# KiCad board poly_kb_wave_right2.kicad_pcb (continued)
## Routing (per net, layer and track width the routed paths; a pad name or vN(x,y) marks a point on that pad's centre or on a via; arc(x,y) is an arc through that point) (continued)
/RpPico/QSPI_SD1: length 8.3
  Bottom w0.229: U10.55 23.95,108.2 24.2,108.45 27.9,108.45 28.2,108.16 28.98,108.16 29.79,108.97 29.79,110.23 U9.2
/RpPico/QSPI_SD2: length 8.4
  Bottom w0.229: U10.54 23.55,108.34 24.05,108.84 25.8,108.84 arc(26.02,108.92) 26.1,109.14 ; U9.3 29.25,109.64 29.25,108.97 28.82,108.54 28.41,108.54 28.11,108.84 27,108.84 arc(26.81,108.91) 26.7,109.09 arc(26.7,109.11) 26.7,109.14 ; 26.71,109.12 arc(26.62,109.33) 26.41,109.42 arc(26.19,109.33) 26.11,109.12
/RpPico/QSPI_SD3: length 8.5
  Bottom w0.229: U10.51 22.35,110.45 25.14,113.24 26.78,113.24 U9.7
/RpPico/QSPI_SS: length 12.3
  Bottom w0.229: 32.18,110.18 30.98,110.18 30.23,110.92 U9.1 30.98,110.18 30.98,109.62 29.08,107.72 U10.56
  Bottom w0.254: R20.2 R21.1
/RpPico/RUN: length 319.1
  Top w0.229: v3(17.73,93.38) 17.69,93.38 15.68,91.38 15.68,90.27 15.09,89.67 v3(15.09,89.55)
  Top w0.3: v3(5.85,45.16) 19.35,9.78 28,8.98 52.9,16.63 104.84,16.63 108.4,20.2 159.35,20.2 177.55,38.41 177.55,81.45 v2(177.45,81.55)
  In2.Cu w0.229: v3(5.85,45.16) 5.85,46.58 9.3,50.02 9.3,55.58 8.28,56.59 8.28,66.77 15.09,73.58 v3(15.09,89.55)
  Bottom w0.229: U10.26 19.95,100.36 18.53,98.94 17.9,98.94 17.73,98.76 v3(17.73,93.38)
  Bottom w0.3: SW3.2 179.06,86.7 179.06,81.71 SW3.2 177.48,81.58 v2(177.45,81.55)
/RpPico/SWCLK: length 13.8
  Top w0.229: DBG1.3 15.82,92.37 v3(18.76,95.31)
  Bottom w0.229: U10.24 20.75,99.94 18.76,97.94 v3(18.76,95.31) ; DBG1.3 13.18,92.37
/RpPico/SWD: length 9.3
  Top w0.229: v3(18.25,98.44) 17.26,97.45 DBG1.1
  Bottom w0.229: U10.25 20.35,100.07 18.73,98.44 v3(18.25,98.44)
/RpPico/USB_D+: length 17.3
  Bottom w0.254: USB1.8 21.75,117.4 22.04,117.11 U11.10 U11.1 22.04,113.68 ; 23.15,113.7 22.06,113.7 22.04,113.68 ; 22.04,113.68 22.04,112.6 R22.1 20.63,112.43 20.63,113.77 20.44,113.96 20.44,114.46 20.54,114.56 U11.4 U11.7 20.54,117.04 20.75,117.25 USB1.6
/RpPico/USB_D-: length 17.1
  Top w0.254: v2(20.04,112.83) 20.08,112.86 v2(21.25,112.86)
  Bottom w0.254: USB1.5 20.25,117.32 20.04,117.11 U11.6 U11.5 20.03,115.72 20.03,113.75 ; 20.03,113.75 20.03,113.07 ; 20.03,113.75 19.98,113.7 18.94,113.7 ; v2(21.25,112.86) 21.25,113.6 21.63,113.98 21.63,114.48 21.54,114.56 U11.2 U11.9 21.54,117.04 21.25,117.33 USB1.7 ; 20.04,113.05 20.04,112.1 R23.1 ; v2(20.04,112.83) 20.03,112.81
/RpPico/XIN: length 5.9
  Bottom w0.229: 23.13,97.2 22.35,97.98 U10.20 ; 23.13,97.2 23.1,97.17 Y1.1 ; 23.13,97.2 C3.2
/RpPico/XOUT: length 5.2
  Bottom w0.229: U10.21 21.95,97.36 21.24,96.65 R19.2
/RpPico/~{USB_BOOT}: length 212.4
  Top w0.3: v2(116.35,121.75) 117.25,122.66 154.2,122.66 154.9,121.95 159.5,121.95 160.15,121.31 169.1,121.31 172.3,118.1 172.3,114.56 177.15,109.7 177.15,83.2 175.4,81.45 v2(175.4,79.05)
  In2.Cu w0.3: v2(82.7,124.95) 88.85,118.81 97.05,118.81 101,114.85 105.55,114.85 107.55,116.85 111.45,116.85 v2(116.35,121.75) ; v2(33.9,111.91) 33.9,114.95 34.65,115.7 34.65,117.95 35.7,119 v2(35.7,125.2)
  Bottom w0.3: SW2.2 179.09,73.93 179.09,78.88 SW2.2 175.43,79.03 v2(175.4,79.05) ; R21.2 33.21,111.22 v2(33.9,111.91) ; v2(82.7,124.95) 81.65,126 71.75,126 71.15,125.41 35.9,125.41 v2(35.7,125.2)
/SCLK1: length 166.2
  In1.Cu w0.3: v2(26.88,29.23) 27.15,29.51 27.15,40.25 23.17,44.24 23.17,45.81 20.13,48.85 18.94,49.41 v2(18.77,49.89) 18.77,49.97 19.23,50.43 20.3,50.81 21.63,50.81 31.16,54.44 32.47,55.75 40.6,55.75 v2(42.3,57.45) 42.36,57.51 44.3,57.51 51.14,64.35 51.14,77.1 47.73,80.51 47.73,80.98 ; 47.73,81.06 47.98,81.31 49.05,81.31 51.1,83.36 51.1,96.19 47.73,99.56 47.73,100.03 ; 47.73,100.11 47.98,100.36 49.05,100.36 51.14,102.45 51.14,115.2 47.73,118.61 47.73,119.08
  Bottom w0.3: J15.11 45.6,78.87 v2(47.73,80.99) ; J8.11 45.6,97.92 v2(47.73,100.04) ; v2(42.3,57.45) 42.02,57.17 42.02,54.3 J22.11 ; J1.11 45.6,116.97 v2(47.73,119.09) 47.73,119.73 47.54,119.92 37.89,119.92 37.14,120.67 U15.4 ; J30.11 25.61,26.51 v2(26.88,29.23) ; v2(18.77,49.89) 17.5,47.16 J29.11
/SCLK2: length 148.1
  In1.Cu w0.3: 69.61,115.75 70.08,115.28 ; 69.61,115.75 66.78,118.58 v2(66.78,119.09) ; 69.61,115.75 70.08,115.28 70.08,102.52 67.92,100.36 67.03,100.36 66.78,100.11 ; 66.78,100.03 66.78,99.56 70.19,96.15 70.19,83.4 68.1,81.31 67.03,81.31 66.78,81.06 ; 66.77,80.98 66.77,80.51 70.18,77.1 70.18,64.35 68.09,62.26 67.02,62.26 66.77,62.01 ; v2(49.26,35.15) 51.18,37.06 64.01,37.06 70.08,43.13 70.08,58.13 66.78,61.43 v2(66.78,61.94)
  Bottom w0.3: J2.11 64.65,116.97 v2(66.78,119.09) 66.78,119.48 66.46,119.8 57.19,119.8 56.31,120.67 U13.4 ; v2(66.78,100.04) 64.65,97.92 J9.11 ; v2(66.78,61.94) 64.65,59.82 J23.11 ; J31.11 47.69,32.59 v2(49.26,35.15) ; v2(66.78,80.99) 64.65,78.87 J16.11
/SCLK3: length 143
  In1.Cu w0.3: v2(85.83,64.32) 85.83,63.81 89.13,60.51 89.13,47.14 87.31,45.33 78.49,45.33 73.54,40.37 v2(73.54,38.34) ; 85.82,83.36 85.82,82.89 89.23,79.48 89.23,66.73 87.14,64.64 86.07,64.64 85.82,64.39 ; 85.83,102.41 85.83,101.94 89.24,98.53 89.24,85.78 87.15,83.69 86.08,83.69 85.83,83.44 ; 85.83,102.5 86.08,102.75 86.97,102.75 89.13,104.91 89.13,115.71 83.52,121.32 v2(83.35,121.32)
  Bottom w0.3: v2(85.84,102.35) 83.7,100.21 83.7,98.51 ; v2(73.54,38.34) 71.61,36.04 J32.11 ; v2(85.83,64.32) 83.7,62.2 J24.11 ; v2(85.83,83.37) 83.7,81.25 J17.11 ; J3.11 83.7,120.97 v2(83.35,121.32) 83.35,121.45 82.59,122.21 75.86,122.21 75.1,122.97 72.1,122.97 71.48,123.59 U17.4
/SCLK4: length 131.3
  In1.Cu w0.3: 104.88,104.88 105.13,105.13 106.02,105.13 108.18,107.29 108.18,120.04 108.18,120.04 104.88,123.34 v2(104.88,123.85) ; 104.88,104.8 104.88,104.33 108.29,100.92 108.29,88.17 106.2,86.08 105.13,86.08 104.88,85.83 ; 104.88,66.78 105.13,67.03 106.2,67.03 108.29,69.12 108.29,81.87 104.88,85.28 104.88,85.75 ; 104.88,66.7 104.88,66.23 108.29,62.82 108.29,50.07 106.2,47.98 105.13,47.98 104.88,47.73
  Bottom w0.3: v2(104.88,66.7) 102.75,64.58 J25.11 ; J33.11 102.75,45.53 v2(104.88,47.65) ; J18.11 102.75,83.63 v2(104.88,85.75) ; J11.11 102.75,102.68 v2(104.88,104.8) ; U19.4 93.86,119.94 94.2,120.28 94.2,122.47 94.74,123 94.74,123.81 95.17,124.24 96.79,124.24 97.43,124.88 104.18,124.88 104.88,124.18 v2(104.88,123.85) 102.75,121.73 J4.11
/SCLK5: length 125.3
  In1.Cu w0.3: 123.94,102.41 123.94,101.94 127.35,98.53 127.35,85.78 125.26,83.69 124.19,83.69 123.94,83.44 ; 123.93,64.32 123.93,63.85 127.34,60.44 127.34,47.69 125.25,45.6 124.18,45.6 123.93,45.35 ; 123.93,102.49 124.18,102.74 125.07,102.74 127.23,104.9 127.23,117.66 123.93,120.96 v2(123.93,121.47) ; 123.93,64.4 124.18,64.65 125.25,64.65 127.34,66.74 127.34,79.49 123.93,82.9 123.93,83.37
  Bottom w0.3: 121.8,41.36 121.8,43.15 v2(123.93,45.27) ; J5.11 121.8,119.35 v2(123.93,121.47) 122.93,122.47 114.09,122.47 113.47,123.08 U21.4 ; v2(123.93,64.32) 121.8,62.2 J26.11 ; 121.8,98.51 121.8,100.3 v2(123.93,102.42) ; v2(123.93,83.37) 121.8,81.25 J19.11
/SCLK6: length 125.8
  In1.Cu w0.3: 142.98,80.99 142.98,80.52 144.78,78.72 144.78,73.49 146.39,71.88 146.39,64.36 144.3,62.27 143.23,62.27 142.98,62.02 ; 142.98,100.04 142.98,99.57 146.39,96.16 146.39,83.41 144.3,81.32 143.23,81.32 142.98,81.07 ; 142.98,100.11 143.23,100.37 144.12,100.37 146.28,102.53 146.28,115.28 146.28,115.28 142.98,118.58 v2(142.98,119.09) ; 142.97,42.97 143.22,43.22 144.29,43.22 146.38,45.31 146.38,58.06 142.97,61.47 142.97,61.94
  Bottom w0.3: J13.11 140.85,97.92 v2(142.98,100.04) ; v2(142.98,61.94) 140.85,59.82 J27.11 ; v2(142.98,80.99) 140.85,78.87 J20.11 ; U23.4 132.69,121.05 134.55,119.19 138.85,119.19 139.23,119.57 142.49,119.57 v2(142.98,119.09) 140.85,116.97 J6.11 ; J35.11 140.85,40.77 v2(142.98,42.89)
/SCLK7: length 130.5
  In1.Cu w0.3: v2(162.03,42.89) 162.31,43.17 168.96,43.17 170.09,44.3 170.09,58.13 166.79,61.43 v2(166.79,61.94) ; v2(166.79,80.99) 166.79,80.48 170.09,77.18 170.09,64.43 167.93,62.27 167.04,62.27 166.79,62.01 ; 166.79,81.06 167.04,81.32 168.12,81.32 170.2,83.41 170.2,96.16 166.79,99.57 v2(166.79,100.04) 166.79,100.11 167.04,100.37 167.93,100.37 170.09,102.53 170.09,115.61 166.79,118.91 v2(166.79,119.42)
  Bottom w0.3: J7.11 164.67,117.29 v2(166.79,119.42) 166.16,120.05 156.88,120.05 156.26,120.67 U25.4 ; v2(166.79,100.04) 164.67,97.92 J14.11 ; v2(166.79,61.94) 164.67,59.82 J28.11 ; J36.11 159.9,40.77 v2(162.03,42.89) ; J21.11 164.67,78.87 v2(166.79,80.99)
/SDIN1: length 152.7
  In1.Cu w0.3: 48.5,99.72 51.65,96.58 51.65,83.07 49.25,80.67 ; 22.47,47.66 23.65,46.48 23.65,44.51 27.71,40.45 v2(27.71,29.21) ; 22.47,47.66 20.85,49.28 v2(19.6,49.86) ; 22.47,47.66 23.96,49.14 23.96,49.14 24.58,49.75 28.64,49.75 34.07,55.19 41.19,55.19 v2(42.91,56.9) 44.36,56.9 51.66,64.21 51.66,78.14 49.13,80.67 48.5,80.67 ; v2(48.51,99.73) 48.51,99.72 49.25,99.72 51.66,102.14 51.66,115.62 v2(48.51,118.78) 48.5,118.78
  Bottom w0.3: J1.12 46.1,116.73 47.85,118.48 48.21,118.48 v2(48.51,118.78) 48.51,120 49.17,120.67 U14.4 ; J29.12 18.05,47.12 19.09,49.36 19.43,49.48 v2(19.6,49.86) ; v2(27.71,29.21) 27.54,28.82 27.2,28.7 26.16,26.46 J30.12 ; J15.12 46.1,78.63 47.85,80.38 48.21,80.38 v2(48.51,80.68) ; v2(42.91,56.9) 42.56,56.55 42.56,54.19 J22.12 ; J8.12 46.1,97.68 47.85,99.43 48.21,99.43 v2(48.51,99.73)
/SDIN2: length 136
  In1.Cu w0.3: 68.3,99.72 70.71,102.14 70.71,115.62 70.55,115.78 ; v2(67.56,61.63) 67.56,61.62 68.29,61.62 ; 70.55,115.78 v2(67.56,118.78) ; 70.55,115.78 70.71,115.62 ; 68.3,80.67 70.71,83.09 70.71,97.19 68.18,99.72 67.55,99.72 ; 68.29,61.62 70.71,59.2 70.71,42.84 64.27,36.39 51.46,36.39 v2(50.09,35.03) ; 68.29,61.62 70.7,64.04 70.7,78.14 68.17,80.67 67.54,80.67
  Bottom w0.3: v2(67.56,99.73) 67.26,99.43 66.9,99.43 65.15,97.68 J9.12 ; J2.12 65.15,116.73 66.9,118.48 67.26,118.48 v2(67.56,118.78) 67.56,120.26 67.97,120.67 U12.4 ; J23.12 65.15,59.58 66.9,61.33 67.26,61.33 v2(67.56,61.63) ; J16.12 65.15,78.63 66.9,80.38 67.26,80.38 v2(67.56,80.68) ; J31.12 48.23,32.48 49.53,34.59 49.87,34.67 v2(50.09,35.03)
/SDIN3: length 141.8
  In1.Cu w0.3: 87.34,64 89.76,61.58 89.76,46.29 88.74,45.27 88.74,41.69 84.04,36.98 79.47,36.98 78.36,38.1 v2(74.34,38.1) ; 87.34,64 89.75,66.42 89.75,80.52 87.22,83.05 86.59,83.05 ; 87.34,64 86.61,64 v2(86.61,64.01) ; 87.35,102.11 89.76,104.53 89.76,116.11 83.95,121.92 v2(83.82,121.92) ; 86.6,102.1 87.23,102.1 89.76,99.57 89.76,85.47 87.35,83.05
  Bottom w0.3: J17.12 84.2,81.02 85.95,82.76 86.31,82.76 v2(86.61,83.06) ; v2(74.34,38.1) 74.07,37.78 73.71,37.75 72.13,35.86 J32.12 ; J24.12 84.2,61.97 85.95,63.71 86.31,63.71 v2(86.61,64.01) ; U16.4 75.28,123.59 76.15,122.72 83.22,122.72 83.82,122.12 v2(83.82,121.92) 84.2,121.54 J3.12 ; v2(86.61,102.11) 86.24,101.74 85.88,101.74 84.2,100.07 84.2,98.51
/SDIN4: length 114.9
  In1.Cu w0.3: 105.65,66.39 106.28,66.39 108.81,63.86 108.81,49.76 106.4,47.34 105.66,47.34 v2(105.66,47.34) ; v2(105.66,123.54) 108.81,120.38 108.81,120.38 108.81,106.91 106.4,104.5 ; 106.4,85.44 108.81,87.86 108.81,101.96 106.28,104.5 105.65,104.5 ; 106.4,66.39 108.81,68.81 108.81,82.91 106.28,85.44 105.65,85.44
  Bottom w0.3: v2(105.66,47.34) 105.36,47.04 105,47.04 103.25,45.3 J33.12 ; J4.12 103.25,121.5 105,123.24 105.36,123.24 v2(105.66,123.54) 105.66,123.83 106.44,124.61 U18.4 ; J18.12 103.25,83.4 105,85.14 105.36,85.14 v2(105.66,85.44) ; J25.12 103.25,64.35 105,66.09 105.36,66.09 v2(105.66,66.39) ; v2(105.66,104.49) 105.36,104.19 105,104.19 103.25,102.45 J11.12
/SDIN5: length 113.9
  In1.Cu w0.3: v2(124.71,44.96) 124.71,44.97 125.45,44.97 127.86,47.38 127.86,61.48 125.33,64.02 124.7,64.02 ; v2(124.71,121.16) 127.86,118 127.86,118 127.86,104.52 125.45,102.1 ; 124.7,83.06 125.33,83.06 127.86,80.53 127.86,66.43 125.45,64.02 ; 125.46,83.05 127.87,85.47 127.87,99.57 125.34,102.1 124.71,102.1
  Bottom w0.3: v2(124.71,83.06) 124.41,82.76 124.05,82.76 122.3,81.02 J19.12 ; J5.12 122.3,119.12 124.05,120.86 124.41,120.86 v2(124.71,121.16) 124.71,122.67 125.12,123.08 U20.4 ; v2(124.71,102.11) 124.41,101.81 124.05,101.81 122.3,100.07 122.3,98.51 ; J26.12 122.3,61.97 124.05,63.71 124.41,63.71 v2(124.71,64.01) ; 122.3,41.36 122.3,42.92 124.05,44.66 124.41,44.66 v2(124.71,44.96)
/SDIN6: length 115
  In1.Cu w0.3: v2(143.76,118.78) 146.76,115.78 146.76,101.99 146.14,101.37 ; 146.14,101.37 146.91,102.15 ; 146.14,101.37 144.5,99.73 ; 144.5,61.63 146.91,64.05 146.91,72.24 145.35,73.8 145.35,79.71 144.38,80.69 143.75,80.69 ; v2(143.76,42.58) 143.76,42.58 144.49,42.58 146.9,45 146.9,59.1 144.37,61.63 143.74,61.63 ; 143.75,99.73 144.38,99.73 146.91,97.2 146.91,83.1 144.5,80.69
  Bottom w0.3: J6.12 141.35,116.73 143.1,118.48 143.46,118.48 v2(143.76,118.78) 143.76,120.64 144.17,121.05 U22.4 ; J13.12 141.35,97.68 143.1,99.43 143.46,99.43 v2(143.76,99.73) ; v2(143.76,80.68) 143.46,80.38 143.1,80.38 141.35,78.63 J20.12 ; J27.12 141.35,59.58 143.1,61.33 143.46,61.33 v2(143.76,61.63) ; v2(143.76,42.58) 143.46,42.28 143.1,42.28 141.35,40.53 J35.12
/SDIN7: length 136.1
  Top w0.3: v2(153.33,119.42) 153.58,119.16 163.87,119.16 164.76,120.05 167.3,120.05 167.57,119.78 v2(167.57,119.11)
  In1.Cu w0.3: v2(167.57,119.11) 170.73,115.95 170.73,102.14 168.31,99.73 v2(167.57,99.73) 168.2,99.73 170.73,97.2 170.73,83.09 168.31,80.68 ; v2(162.81,42.57) 169.33,42.57 170.73,43.97 170.73,59.09 168.19,61.63 v2(167.57,61.63) 168.2,61.63 ; 168.2,80.68 v2(167.57,80.68) 168.19,80.68 170.73,78.14 170.73,64.05 168.31,61.63
  Bottom w0.3: v2(167.57,99.73) 167.27,99.43 166.91,99.43 165.17,97.68 J14.12 ; U24.4 152.38,120.37 v2(153.33,119.42) ; v2(162.81,42.57) 162.52,42.28 162.15,42.28 160.4,40.53 J36.12 ; J21.12 165.17,78.63 166.91,80.38 167.27,80.38 v2(167.57,80.68) ; v2(167.57,61.63) 167.27,61.33 166.91,61.33 165.17,59.58 J28.12 ; v2(167.57,119.11) 167.27,118.81 166.91,118.81 165.17,117.06 J7.12
/ShiftRegisters/Carry1: length 30.3
  In1.Cu w0.3: v2(150.66,106.66) 151.7,106.66 152.65,105.7 152.65,88.68 155.36,85.97 v2(155.36,85.63)
  Bottom w0.3: 150.36,104.91 150.36,106.36 v2(150.66,106.66) ; 151.35,86.2 151.8,86.2 152.3,85.71 152.3,85.7 153,85 154.8,85 155.36,85.56 v2(155.36,85.63)
/ShiftRegisters/Carry2: length 34.6
  In1.Cu w0.3: v2(154.86,88.11) 157.01,85.96 157.01,75.22 156.12,74.33 156.12,67.6 153.96,65.44 153.96,65.45 v2(153.95,65.45)
  Bottom w0.3: 150.41,88.66 150.41,90.01 150.75,90.35 153.08,90.35 153.78,89.65 153.78,89.19 v2(154.86,88.11) ; v2(153.95,65.45) 151.3,65.45
/ShiftRegisters/Carry3: length 100.6
  In1.Cu w0.3: v2(151.95,68.65) 151.95,68.65 151.95,39.2 150.5,37.75 150.5,24.77 v2(149.9,24.17)
  In2.Cu w0.3: v2(149.9,24.17) 149.9,23.41 147.74,21.25 107.34,21.25 105.25,19.16 102.33,19.16 v2(101.08,20.41)
  Bottom w0.3: v2(151.95,68.65) 151.85,68.65 151.08,67.88 150.47,67.88 U6.9 ; v2(101.08,20.41) 101.15,20.48 101.15,21.77
/ShiftRegisters/Carry4: length 20.2
  Bottom w0.3: 89.85,21.81 89.85,20.62 91.21,19.26 93.3,19.26 94.75,17.82 102.22,17.82 103.66,19.26 103.66,22.65 103.61,22.71
Col1: length 77.4
  Top w0.229: v2(23.67,59.38) 23.67,61.53 21.45,63.75 21.45,73.84 v2(26.13,78.52)
  In1.Cu w0.229: v3(26.44,101.89) 28.32,100 28.32,80.72 v2(26.13,78.52)
  Bottom w0.229: 6.86,45.82 6.86,46.48 9.25,48.86 13.98,48.86 23.17,58.05 D12.1 23.67,58.08 v2(23.67,59.38) ; U10.13 26.24,102.08 v3(26.44,101.89)
  Bottom w0.3: D1_29.1 9.19,41.67 8.21,42.13 6.86,45.82
Col2: length 129.8
  In1.Cu w0.3: v2(35.67,115.13) 35.67,106.78 36.24,106.22 36.29,106.22 37.65,104.85 37.65,97.95 35.65,95.95 v2(34.76,95.95) ; v2(34.76,95.95) 31.39,95.95 v2(30.79,96.56) ; v2(34.76,95.95) 34.76,77 v2(35.07,76.69) 35.07,67.77 v2(35.08,67.77)
  In2.Cu w0.3: v2(30.2,32.33) 33.13,35.25 33.13,48.78 31.85,50.06 v2(31.85,50.08) 31.85,52.36 32.84,53.35 v2(32.84,58.36)
  Bottom w0.229: U10.14 25.72,101.68 26.17,101.22 26.17,100.25 26.28,100.13 27.49,100.13 30.79,96.83 v2(30.79,96.56)
  Bottom w0.3: v2(34.76,95.95) 35.12,95.59 D1_8.1 ; v2(35.67,115.13) 36.16,114.64 D1_1.1 ; D1_22.1 32.07,49.87 v2(31.85,50.08) ; D1_15.1 35.22,76.54 v2(35.07,76.69) ; v2(30.2,32.33) 15.39,26.92 14.95,25.94 14.97,25.17 16.32,21.47 17.3,21.01 17.66,21.14 ; v2(35.08,67.77) 35.08,60.6 v2(32.84,58.36)
Col3: length 133.7
  In1.Cu w0.3: v2(54.17,101.78) 54.17,84.4 v2(54.14,84.37) 54.14,65.28 v2(54.16,65.27) v2(54.16,47.34)
  In2.Cu w0.229: v3(25.59,100.83) 25.59,100.81 28.72,97.67 34.13,97.67 35.1,96.71 41.97,96.71 44.09,94.59 44.09,92.1 45.1,91.09 51.7,91.09 54.14,88.64 v2(54.14,84.37)
  Bottom w0.229: 24.79,100.84 25.59,100.84 ; 24.79,100.84 25.58,100.84 v3(25.59,100.83) ; 24.79,100.84 U10.15
  Bottom w0.3: v2(54.14,84.37) 54.16,84.38 D1_9.1 ; v2(54.16,65.27) 54.18,65.28 D1_16.1 ; D1_31.1 38.82,28.07 37.9,28.63 36.98,32.46 36.98,33.79 38.41,35.22 52.07,38.81 55.32,42.06 D1_23.1 54.82,46.69 v2(54.16,47.34) ; D1_2.1 55.31,102.92 v2(54.17,101.78)
Col4: length 149.6
  In1.Cu w0.3: v2(70.19,39.8) 73.2,42.8 v2(73.2,49.77) v2(73.2,67.48) 73.22,67.5 73.22,83.62 74.37,84.77 v2(74.37,85.69) 74.41,85.74 74.41,99.19 73.44,100.16 v2(73.44,105.53)
  In2.Cu w0.229: v2(30.2,94.81) 31.21,93.8 41.85,93.8 46.77,88.88 46.77,88.1 51.08,83.8 54.85,83.8 56.51,85.46 74.13,85.46 v2(74.37,85.69)
  Bottom w0.229: v2(30.2,94.81) 30.2,96.73 27.2,99.74 25.99,99.74 25.33,100.41 24.83,100.41 24.56,100.14 24.17,100.14 23.95,100.36 U10.16
  Bottom w0.3: v2(73.2,49.77) 73.22,49.8 D1_24.1 ; v2(73.44,105.53) 74.42,106.51 D1_3.1 ; v2(70.19,39.8) 62.28,39.8 60.99,38.5 60.99,37.5 61.33,33.58 62.16,32.89 D1_32.1 ; v2(74.37,85.69) 74.38,85.71 D1_10.1 ; v2(73.2,67.48) 73.22,67.47 D1_17.1
Col5: length 149.1
  Top w0.229: v3(52.38,100.7) 54.35,100.7 55.19,99.86 59.59,99.86 60.5,100.78 67.59,100.78 67.6,100.76 69.47,100.76 v3(71.69,102.98)
  In1.Cu w0.3: v2(91.08,42.85) 92.18,43.95 v2(92.18,51.38) v2(92.18,69.78) v2(92.18,88.93) 92.15,88.95 92.15,107.34 v2(92.23,107.42)
  In2.Cu w0.229: v3(24.99,99.88) 24.99,101.11 25.2,101.32 26.9,101.32 30.17,98.06 35.44,98.06 38.11,100.72 52.36,100.72 v3(52.38,100.7)
  In2.Cu w0.3: v2(92.23,107.42) 87.86,103.04 76.02,103.04 75.36,103.7 72.41,103.7 v3(71.69,102.98)
  Bottom w0.229: U10.17 23.55,100.14 23.93,99.75 24.87,99.75 v3(24.99,99.88)
  Bottom w0.3: v2(92.18,88.93) 92.2,88.95 D1_11.1 ; v2(91.08,42.85) 90.23,42.85 D1_33.1 ; D1_18.1 v2(92.18,69.78) ; D1_4.1 93.48,108.66 v2(92.23,107.42) ; D1_25.1 92.2,51.41 v2(92.18,51.38)
Col6: length 182.8
  In1.Cu w0.3: v2(109.17,38.81) 109.17,41.75 110.39,42.97 v2(110.39,56.97) 110.4,56.97 v2(110.4,76.08) 110.41,76.08 v2(110.41,95.08) 110.41,111.09 v2(110.33,111.18)
  In2.Cu w0.229: v2(30.33,93.41) 30.51,93.41 38.82,85.1 49.23,85.1 50.92,83.41 55,83.41 56.66,85.08 74.55,85.08 77.28,87.8 93.44,87.8 95.76,90.12 106.7,90.12 110.41,93.83 v2(110.41,95.08)
  Bottom w0.229: U10.18 23.15,100 23.79,99.37 25.83,99.37 25.84,99.36 27,99.36 29.6,96.75 29.6,94.14 v2(30.33,93.41)
  Bottom w0.3: v2(110.4,76.08) 110.4,76.94 D1_19.1 ; v2(110.33,111.18) 110.32,111.19 D1_5.1 ; v2(109.17,38.81) 110.31,38.81 D1_34.1 ; D1_12.1 110.41,95.93 v2(110.41,95.08) ; D1_26.1 110.39,57.91 v2(110.39,56.97)
Col7: length 236.9
  Top w0.229: v2(61.57,55.33) 61.59,55.33 64.34,52.58 72.93,52.58 75.89,49.62 92.6,49.62 95.05,52.08 109.45,52.08 111.68,49.84 127.13,49.84 129.43,52.14 v2(129.43,53.78)
  In1.Cu w0.229: v3(19.27,101.69) 19.27,98.76 18.25,97.74 18.25,92.14 21.11,89.27 26.48,89.27 v2(27.32,90.11)
  In1.Cu w0.3: v2(130.18,111.58) 129.94,111.34 129.94,92.77 v2(129.43,92.25) 129.43,72.93 v2(129.45,72.91) 129.45,53.8 v2(129.43,53.78) v2(129.43,35.1)
  In2.Cu w0.229: v2(27.32,90.11) 28.46,90.11 30.6,87.97 30.6,74.81 39.09,66.33 48.59,66.33 52.49,62.42 53.68,62.42 60.77,55.33 v2(61.57,55.33)
  Bottom w0.229: v3(19.27,101.69) 19.55,101.41 U10.27
  Bottom w0.3: v2(129.43,92.25) 129.43,93.55 D1_13.1 ; D1_20.1 129.42,72.94 v2(129.45,72.91) ; v2(129.43,53.78) 129.43,55.45 D1_27.1 ; D1_35.1 129.44,35.11 v2(129.43,35.1) ; v2(130.18,111.58) 129.49,112.27 D1_6.1
Col8: length 224.7
  In1.Cu w0.3: v2(153.96,63.41) 152.69,62.14 v2(152.69,54.52) ; v2(153.33,111.8) 153.33,92.79 v2(153.29,92.75) 153.29,88.72 156.5,85.51 156.5,75.6 155.59,74.69 155.59,68.34 v2(154.6,67.35) ; v2(147.74,35.72) 147.74,38.64 148.5,39.41 148.5,41.19 148.95,41.63 148.95,49.36 149.39,49.8 v2(149.39,54.39)
  In2.Cu w0.3: v2(153.33,111.8) 152.18,111.8 144.8,104.42 127.53,104.42 125.12,106.83 110.54,106.83 v3(109.55,107.82)
  Bottom w0.229: 51.67,103.98 38.55,103.98 36.08,106.45 28.4,106.45 27.23,105.28 U10.5 ; 51.67,103.98 73.63,103.98 76.11,106.47 93.22,106.47 95.54,108.78 108.59,108.78 v3(109.55,107.82) ; 51.67,103.98 51.86,103.98
  Bottom w0.3: D1_36.1 148.47,36.45 v2(147.74,35.72) ; v2(153.33,111.8) 153.29,111.83 D1_7.1 ; D1_14.1 v2(153.29,92.75) ; v2(149.39,54.39) 149.52,54.52 v2(152.69,54.52) 153.29,55.12 D1_28.1 ; v2(153.96,63.41) 155.36,64.81 D1_21.1 155.36,66.58 v2(154.6,67.35)
D-C: length 1065.8
  Top w0.3: v2(165.77,61.81) 167.99,59.6 DBG3.4
  In1.Cu w0.3: 122.97,122.72 127.42,122.72 129.58,120.56 136.06,120.56 ; 122.97,122.72 122.91,122.66 v2(122.91,121.34) 122.91,121.09 126.59,117.41 126.59,117.4 126.59,105.16 124.69,103.25 123.8,103.25 122.91,102.36 ; 122.97,122.72 110.78,122.72 109,124.5 103.93,124.5 ; 68.81,115.66 65.76,118.71 v2(65.76,118.96) 65.76,122.66 65.7,122.72 ; 68.81,115.66 69.44,115.03 69.44,102.78 67.54,100.87 66.65,100.87 65.76,99.98 ; 68.81,115.66 69.44,115.03 ; 103.86,47.6 104.75,48.49 105.82,48.49 107.66,50.33 107.66,62.52 103.86,66.32 103.86,66.58 ; 84.8,64.26 85.69,65.15 86.76,65.15 88.6,66.99 88.6,79.18 84.8,82.98 84.8,83.24 ; 103.93,124.5 98.08,124.5 92.62,119.04 87.56,119.04 83.88,122.72 82.21,122.72 ; 103.93,124.5 103.86,124.43 v2(103.86,123.72) 103.86,123.47 107.54,119.79 107.54,107.55 107.06,107.07 ; 144.77,101.9 145.6,102.74 ; 144.77,101.9 144.27,101.4 ; 144.77,101.9 145.64,102.78 ; 141.95,42.84 142.84,43.73 143.91,43.73 145.75,45.57 145.75,57.76 141.95,61.56 141.95,61.82 ; 144.27,101.4 143.74,100.88 142.85,100.88 141.96,99.99 ; 144.27,101.4 145.64,102.78 145.64,115.03 141.96,118.71 v2(141.96,118.96) 141.96,120.5 141.9,120.56 ; 103.86,85.63 103.86,85.37 107.66,81.57 107.66,69.38 105.82,67.54 104.75,67.54 103.86,66.65 ; v2(161.01,42.76) 161.01,42.88 161.75,43.62 168.57,43.62 169.46,44.51 169.46,57.88 165.77,61.56 v2(165.77,61.81) ; 84.81,102.37 85.7,103.26 86.59,103.26 88.49,105.17 88.49,113.97 85.28,117.17 85.28,118.12 v2(82.21,121.19) 82.21,122.72 ; 65.75,80.86 65.75,80.6 69.55,76.8 69.55,64.61 67.71,62.77 66.64,62.77 65.75,61.88 ; 46.71,80.86 46.71,80.6 50.51,76.8 50.51,64.65 44.06,58.2 42.19,58.2 v2(41.2,57.21) 40.37,56.38 32.21,56.38 30.62,54.8 21.32,51.42 20.22,51.42 18.74,50.8 17.85,49.91 v2(17.85,49.42) 17.94,49.18 19.56,48.43 22.66,45.32 22.66,44.03 26.58,40.11 26.58,29.88 26.19,29.5 26.19,28.99 v2(25.96,28.76) ; 46.71,80.93 47.6,81.82 48.67,81.82 50.51,83.66 50.51,92.41 46.71,96.21 46.71,99.91 ; 122.91,45.22 123.8,46.11 124.87,46.11 126.71,47.95 126.71,60.14 122.91,63.94 122.91,64.2 ; 141.96,80.94 142.85,81.83 143.92,81.83 145.76,83.67 145.76,95.86 141.96,99.66 141.96,99.92 ; 122.91,64.27 123.8,65.16 124.87,65.16 126.71,67 126.71,79.19 122.91,82.99 122.91,83.25 ; 136.06,120.56 141.9,120.56 ; 136.06,120.56 135.8,120.56 ; 141.9,120.56 153.71,120.56 154.98,119.29 v2(165.77,119.29) 165.77,119.04 169.46,115.35 169.46,102.78 167.55,100.88 166.66,100.88 165.77,99.99 v2(165.77,99.91) 165.77,99.66 169.57,95.86 169.57,83.66 167.73,81.83 166.66,81.83 165.77,80.94 ; 141.96,80.87 141.96,80.61 144.11,78.47 144.11,73.31 145.76,71.66 145.76,64.62 143.92,62.78 142.85,62.78 141.96,61.89 ; 65.76,99.91 65.76,99.65 69.56,95.85 69.56,83.66 67.72,81.82 66.65,81.82 65.76,80.93 ; 107.54,107.55 107.06,107.07 ; 107.06,107.07 105.64,105.64 104.75,105.64 103.86,104.75 ; v2(46.71,118.96) 46.71,122.66 46.77,122.72 ; 46.71,118.96 46.71,118.7 50.51,114.9 50.51,102.71 48.67,100.87 47.6,100.87 46.71,99.98 ; 122.92,102.29 122.92,102.03 126.72,98.23 126.72,86.04 124.88,84.2 123.81,84.2 122.92,83.31 ; 82.21,122.72 65.7,122.72 ; v2(165.77,80.86) 165.77,80.61 169.46,76.93 169.46,64.68 167.55,62.77 166.66,62.77 165.77,61.89 ; 103.86,104.68 103.86,104.42 107.66,100.62 107.66,88.43 105.82,86.59 104.75,86.59 103.86,85.7 ; v3(27.1,102.91) 27.1,103.08 31.21,107.19 31.21,117.11 33.86,119.76 33.86,121.36 35.22,122.72 46.77,122.72 ; 65.7,122.72 46.77,122.72 ; 84.81,83.31 85.7,84.2 86.77,84.2 88.61,86.04 88.61,98.23 84.81,102.03 84.81,102.29 ; v2(84.81,64.19) 84.81,63.94 88.49,60.26 88.49,47.39 86.89,45.78 78.31,45.78 72.54,40.01 v2(72.54,38.13) ; v2(65.76,61.81) 65.76,61.65 69.5,57.91 69.5,45.17 69.49,45.16 69.49,43.33 63.87,37.72 50.86,37.72 48.3,35.16 v2(48.3,34.79)
  Bottom w0.229: U10.11 27.08,102.88 v3(27.1,102.91)
  Bottom w0.3: J26.10 121.3,62.59 v2(122.91,64.19) ; J11.10 102.25,103.07 v2(103.86,104.67) ; v2(46.71,99.91) 45.1,98.3 J8.10 ; v2(65.76,61.81) 64.15,60.2 J23.10 ; 121.3,41.36 121.3,43.54 v2(122.91,45.14) ; v2(122.91,83.24) 121.3,81.64 J19.10 ; J14.10 164.17,98.3 v2(165.77,99.91) ; v2(65.76,80.86) 64.15,79.25 J16.10 ; J6.10 140.35,117.35 v2(141.96,118.96) ; v2(122.91,102.29) 121.3,100.69 121.3,98.51 ; v2(46.71,80.86) 45.1,79.25 J15.10 ; v2(84.81,64.19) 83.2,62.59 J24.10 ; v2(82.21,121.19) 83.2,120.2 J3.10 ; J25.10 102.25,64.97 v2(103.86,66.57) ; 83.2,98.51 83.2,100.69 v2(84.81,102.29) ; J21.10 164.17,79.25 v2(165.77,80.86) ; v2(141.96,42.76) 140.35,41.15 J35.10 ; v2(46.71,118.96) 45.1,117.35 J1.10 ; J22.10 41.45,54.56 41.45,56.96 v2(41.2,57.21) ; J9.10 64.15,98.3 v2(65.76,99.91) ; J5.10 121.3,119.74 v2(122.91,121.34) ; J7.10 164.17,117.68 v2(165.77,119.29) ; J13.10 140.35,98.3 v2(141.96,99.91) ; v2(84.81,83.24) 83.2,81.64 J17.10 ; v2(103.86,47.52) 102.25,45.92 J33.10 ; J32.10 71.08,36.39 v2(72.54,38.13) ; v2(103.86,85.62) 102.25,84.02 J18.10 ; v2(25.96,28.76) 25,26.7 J30.10 ; J28.10 164.17,60.2 v2(165.77,61.81) ; J31.10 47.12,32.85 v2(48.3,34.79) ; J20.10 140.35,79.25 v2(141.96,80.86) ; J36.10 159.4,41.15 v2(161.01,42.76) ; J29.10 16.89,47.36 v2(17.85,49.42) ; J4.10 102.25,122.12 v2(103.86,123.72) ; v2(65.76,118.96) 64.15,117.35 J2.10 ; v2(141.96,61.81) 140.35,60.2 J27.10